# Allegro board SG2042_EVB_V2_0.brd (continued)
## Copper pours and planes (outline as drawn; the poured copper is in the pictures) (continued)
GND on TOP (solid shape): 47.99,214.05 47.49,213.54 39.69,213.54 39.43,213.79 39.43,215.53 47.99,215.53
GND on TOP (solid shape): 194.07,213.79 193.81,213.54 186.02,213.54 185.51,214.05 185.51,215.53 194.07,215.53
GND on TOP (solid shape): 109.42,265.2 110.3,265.2 110.3,264.89 107.95,264.89 107.95,265.2 108.97,265.2 108.97,266.8 109.42,266.8
GND on TOP (solid shape): 114.05,265.2 114.92,265.2 114.92,264.89 112.57,264.89 112.57,265.2 113.59,265.2 113.59,266.8 114.05,266.8
GND on TOP (solid shape): 126.26,265.2 127.14,265.2 127.14,264.89 124.79,264.89 124.79,265.2 125.81,265.2 125.81,266.8 126.26,266.8
GND on TOP (solid shape): 199.26,98.1 198.57,98.1 198.51,98.16 198.45,98.2 198.45,100 199.26,100
GND on TOP (solid shape): 202.06,97.99 201.56,97.99 201.56,97.66 201.22,97.66 201.22,98.96 201.09,98.96 201.09,99.11 201.22,99.11 201.22,99.24 202.06,99.24
GND on TOP (solid shape): 128.05,26.13 128.06,26.06 128.1,26.01 128.64,25.46 128.61,25.4 128.34,25.4 127.4,26.34 127.4,27.16 128.05,27.16
GND on TOP (solid shape): 216.17,127.62 214.97,126.41 214.93,126.36 214.91,126.29 214.91,126.04 213.97,126.04 213.97,126.21 215.44,127.69 216.15,127.69
GND on TOP (solid shape): 218.33,74.97 219.3,74.97 219.3,74.6 219.3,74.56 219.3,74.15 218.37,74.15 218.37,73.77 218.31,73.74 217.64,74.41 217.64,75.57 217.71,75.6
GND on TOP (solid shape): 197.46,131.04 197.52,131 197.59,130.99 197.83,130.99 197.83,130.07 197.66,130.07 195.21,132.53 195.24,132.59 195.91,132.59
GND on TOP (solid shape): 230.23,78.19 232.28,78.19 232.28,77.87 230.81,76.4 225.76,76.4 225.76,77.52 229.01,77.52 229.07,77.53 229.13,77.57 230.02,78.46 230.23,78.46
GND on TOP (solid shape): 42.67,286.25 42.67,281.64 42.56,281.56 42.54,281.57 42.44,281.58 42.35,281.57 42.32,281.56 42.22,281.64 42.22,283.36 42.01,283.36 42.01,285.68 42.61,286.27
GND on TOP (solid shape): 41.66,285.52 41.66,283.36 40.64,283.36 40.64,282.51 40.53,282.43 40.46,282.44 40.41,282.45 40.37,282.45 40.31,282.43 40.21,282.51 40.21,284.16 41.59,285.54
GND on TOP (solid shape): 119.66,170.41 120.6,170.41 120.6,170.28 120.47,170.28 120.47,169.47 119.2,169.47 119.2,170.28 119.08,170.28 119.08,170.41 119.46,170.41 119.52,170.42 119.6,170.44 119.66,170.44
GND on TOP (solid shape): 164.83,30.54 164.83,28.06 164.56,28.06 164.56,27.88 164.12,27.88 164.12,28.06 163.06,28.06 163.06,27.66 162.87,27.66 162.87,27.86 161.54,27.86 160.47,28.94 160.47,31.66 162.32,31.66 163.49,31.66 163.6,31.77
GND on TOP (solid shape): 203.91,99.11 204.04,99.11 204.04,98.96 203.91,98.96 203.91,98.83 203.12,98.83 203.03,98.81 202.94,98.76 202.63,98.45 202.57,98.47 202.57,100.08 203.57,100.08 203.57,100.41 203.91,100.41
GND on TOP (solid shape): 134.01,39.25 134.03,39.15 133.96,39.05 133.96,38.53 132.74,37.31 132.2,37.31 132.2,37.96 132.45,37.96 132.52,37.97 132.58,38.01 133.86,39.29
GND on TOP (solid shape): 199.57,245.09 199.57,243.76 200.42,243.76 200.5,243.66 200.5,243.63 200.48,243.54 200.5,243.44 200.5,243.41 200.42,243.31 199.57,243.31 199.57,242.38 199.5,242.35 199.42,242.44 199.42,245.15 199.48,245.18
GND on TOP (solid shape): 20.92,153.29 20.85,153.14 20.77,153.14 20.6,153.11 20.46,153.01 20.41,152.96 19.75,152.96 19.63,153.07 19.66,153.14 19.81,153.14 19.81,154.12 19.93,154.24 19.97,154.24
GND on TOP (solid shape): 24.77,176.53 24.76,176.45 24.82,176.28 24.96,176.15 24.98,176.14 25.01,176.01 24.68,175.69 24.13,175.69 24.13,176.97 24.33,176.97
GND on TOP (solid shape): 45.92,193.62 45.82,193.62 45.71,193.6 45.62,193.54 45.09,193.01 44.34,193.01 44.3,193.01 43.71,193.01 43.71,193.51 44.27,193.51 44.27,193.78 45.92,193.78
GND on TOP (solid shape): 117.78,149.94 118.41,149.94 118.41,140.49 118.36,140.34 118.21,140.28 116.69,140.28 116.69,140.92 116.05,140.92 116.05,150.6 116.24,150.6 116.24,150.95 117.78,150.95
GND on TOP (solid shape): 187.65,162.82 187.54,162.75 187.51,162.76 187.45,162.78 187.38,162.79 187.33,162.79 187.25,162.77 187.15,162.85 187.15,163.7 185.57,163.7 185.57,163.37 185.4,163.2 185.12,163.2 185.12,164.79 187.65,164.79
GND on TOP (solid shape): 188.21,75.29 188.36,75.23 188.42,75.08 188.42,73.56 187.78,73.56 187.78,72.92 178.1,72.92 178.1,73.11 177.76,73.11 177.76,74.65 178.77,74.65 178.77,75.29
GND on TOP (solid shape): 195.43,193.62 195.33,193.62 195.22,193.6 195.13,193.54 194.6,193.01 193.84,193.01 193.8,193.01 193.21,193.01 193.21,193.51 193.78,193.51 193.78,193.78 195.43,193.78
GND on TOP (solid shape): 212.52,208.48 213.16,208.48 213.16,198.81 212.97,198.81 212.97,198.46 211.43,198.46 211.43,199.47 210.79,199.47 210.79,208.91 210.85,209.06 211,209.12 212.52,209.12
GND on TOP (solid shape): 160.2,90.3 161.05,90.3 161.13,90.19 161.13,90.17 161.11,90.07 161.13,89.97 161.13,89.95 161.05,89.84 159.59,89.84 159.09,90.34 159.03,90.38 158.96,90.39 158.45,90.39 158.45,91.31 160.2,91.31
GND on TOP (solid shape): 41.55,224.44 41.95,224.44 41.97,224.38 41.55,223.95 41.5,223.87 41.48,223.77 41.48,223.65 41.35,223.65 41.35,222.88 41.48,222.88 41.48,222.76 41.35,222.76 41.35,222.25 41.29,222.19 41.22,222.22 41.22,223.65 40.28,223.65 40.28,223.8 41.17,224.69 41.55,224.69
GND on TOP (solid shape): 190.92,224.44 191.33,224.44 191.35,224.38 190.93,223.95 190.87,223.87 190.86,223.77 190.86,223.65 190.73,223.65 190.73,222.88 190.86,222.88 190.86,222.76 190.73,222.76 190.73,222.25 190.66,222.19 190.6,222.22 190.6,223.65 189.66,223.65 189.66,223.8 190.55,224.69 190.92,224.69
GND on TOP (solid shape): 41.53,183.08 42.36,183.08 42.36,175.44 40.36,175.44 40.22,175.5 40.16,175.64 40.16,183.51 40.22,183.66 40.36,183.72 41.53,183.72
GND on TOP (solid shape): 116.53,172.62 115.75,172.62 115.75,171.86 116.56,171.86 116.56,171.69 116.59,171.64 116.63,171.6 116.65,171.57 116.59,171.43 115.62,171.43 115.62,172.62 115.42,172.62 115.42,172.74 115.62,172.74 115.62,172.95 116.13,172.95 116.2,172.96 116.25,173 116.29,173.03 116.53,173.03
GND on TOP (solid shape): 189.81,183.08 190.64,183.08 190.64,175.44 188.65,175.44 188.5,175.5 188.44,175.64 188.44,183.51 188.5,183.66 188.65,183.72 189.81,183.72
GND on TOP (solid shape): 192.05,295.29 192.25,295.25 192.44,295.29 192.61,295.39 192.81,295.55 193.21,295.55 193.23,295.49 192.66,294.92 191.11,294.92 191.11,295.58 191.71,295.58
GND on TOP (solid shape): 204.34,277.97 204.34,275.65 204.22,275.58 204.2,275.59 204.13,275.61 204.06,275.62 204.01,275.61 203.94,275.59 203.84,275.67 203.84,277.95 203.94,278.02 204.01,278.01 204.06,278 204.13,278.01 204.2,278.03 204.22,278.04
GND on TOP (solid shape): 214.55,164.05 214.5,163.91 214.47,163.9 214.38,163.88 214.3,163.83 214.18,163.89 214.04,163.91 213.87,163.88 213.73,163.78 213.67,163.73 213.59,163.73 213.59,164.81 213.69,164.91
GND on TOP (solid shape): 22.91,223.21 23.55,223.21 23.55,222.4 23.49,222.26 23.34,222.2 19.71,222.2 19.57,222.26 19.51,222.4 19.51,222.73 20.14,222.73 20.14,223.37 22.91,223.37
GND on TOP (solid shape): 22.91,218.92 23.55,218.92 23.55,218.11 23.49,217.97 23.34,217.91 19.71,217.91 19.57,217.97 19.51,218.11 19.51,218.44 20.14,218.44 20.14,219.07 22.91,219.07
GND on TOP (solid shape): 22.91,205.31 23.55,205.31 23.55,204.5 23.49,204.35 23.34,204.29 19.71,204.29 19.57,204.35 19.51,204.5 19.51,204.83 20.14,204.83 20.14,205.46 22.91,205.46
GND on TOP (solid shape): 22.91,201.02 23.55,201.02 23.55,200.2 23.49,200.06 23.34,200 19.71,200 19.57,200.06 19.51,200.2 19.51,200.53 20.14,200.53 20.14,201.17 22.91,201.17
GND on TOP (solid shape): 25.93,187.2 26.57,187.2 26.57,186.39 26.51,186.24 26.37,186.18 22.73,186.18 22.59,186.24 22.53,186.39 22.53,186.71 23.17,186.71 23.17,187.35 25.93,187.35
GND on TOP (solid shape): 25.93,182.9 26.57,182.9 26.57,182.09 26.51,181.95 26.37,181.89 22.73,181.89 22.59,181.95 22.53,182.09 22.53,182.42 23.17,182.42 23.17,183.06 25.93,183.06
GND on TOP (solid shape): 25.93,178.61 26.57,178.61 26.57,177.8 26.51,177.66 26.37,177.6 22.73,177.6 22.59,177.66 22.53,177.8 22.53,178.13 23.17,178.13 23.17,178.77 25.93,178.77
GND on TOP (solid shape): 226.29,151.82 226.92,151.82 226.92,149.05 226.77,149.05 226.77,148.41 225.96,148.41 225.81,148.47 225.76,148.62 225.76,152.25 225.81,152.39 225.96,152.45 226.29,152.45
GND on TOP (solid shape): 214.38,114.05 214.35,113.91 214.33,113.9 214.17,113.78 214.11,113.59 214.11,113.54 214.13,113.49 214.14,113.46 214.06,113.35 213.97,113.35 213.97,113.59 213.96,113.66 213.92,113.71 204.77,122.86 204.8,122.92 205.51,122.92
GND on TOP (solid shape): 234.57,113.3 234.57,112.19 231.82,109.44 231.67,109.53 231.68,109.57 231.71,109.71 231.72,109.86 231.67,110.17 231.5,110.45 231.48,110.47 231.54,110.62 231.72,110.62 231.79,110.63 231.85,110.67 234.51,113.32
GND on TOP (solid shape): 39.7,193.78 40.99,193.78 40.99,190.83 42.19,190.83 42.19,185.12 40.36,185.12 40.22,185.17 40.16,185.32 40.16,189.03 40.24,189.03 40.24,193.04 38.97,193.04 38.86,193.14 38.78,193.2 38.68,193.22 38.53,193.22 38.53,194.03 39.7,194.03
GND on TOP (solid shape): 189.2,193.78 190.49,193.78 190.49,190.83 191.69,190.83 191.69,185.12 189.87,185.12 189.72,185.17 189.66,185.32 189.66,189.03 189.74,189.03 189.74,193.04 188.48,193.04 188.37,193.14 188.29,193.2 188.19,193.22 188.04,193.22 188.04,194.03 189.2,194.03
GND on TOP (solid shape): 200.05,97.48 200.14,97.45 200.23,97.43 200.28,97.44 200.35,97.46 200.45,97.38 200.97,97.38 200.99,97.36 201.05,97.32 201.12,97.31 201.56,97.31 201.56,96.98 201.78,96.98 201.78,96.07 198.45,96.07 198.45,96.47 199.9,96.47 199.9,97.43 200.03,97.5
GND on TOP (solid shape): 223.57,79.46 225.6,79.46 225.6,79.08 223.57,79.08 223.57,78.19 224.39,78.19 224.41,78.13 223.42,77.14 223.23,77.14 223.23,77.46 223.22,77.52 223.18,77.58 222.05,78.71 222.05,79.38 222.13,79.43 222.18,79.4 222.25,79.37 222.33,79.36 222.53,79.36 222.53,78.49 223.29,78.49 223.29,79.59 223.57,79.59
GND on TOP (solid shape): 42.62,224.23 42.64,224.2 43.05,223.8 43.05,222.49 42.9,222.44 42.87,222.46 42.76,222.55 42.62,222.58 42.58,222.58 42.52,222.57 42.42,222.65 42.42,222.76 41.99,222.76 41.99,222.88 42.93,222.88 42.93,223.65 42.11,223.65 42.11,223.8 42.5,224.19 42.54,224.23
GND on TOP (solid shape): 192,224.23 192.02,224.2 192.43,223.8 192.43,222.49 192.27,222.44 192.25,222.46 192.14,222.55 192,222.58 191.96,222.58 191.9,222.57 191.8,222.65 191.8,222.76 191.36,222.76 191.36,222.88 192.3,222.88 192.3,223.65 191.49,223.65 191.49,223.8 191.88,224.19 191.92,224.23
GND on TOP (solid shape): 217.08,278.08 217.13,278.07 217.21,278.06 217.45,277.81 217.45,275.89 217.52,275.71 217.7,275.64 218.82,275.64 218.9,275.53 218.89,275.51 218.87,275.45 218.87,275.39 218.87,275.33 218.89,275.27 218.9,275.25 218.82,275.14 217.3,275.14 216.95,275.49 216.95,278.01 217.06,278.09
GND on TOP (solid shape): 113.98,146.71 113.96,146.69 113.84,146.57 113.79,146.41 113.79,146.37 113.81,146.3 113.73,146.2 113.56,146.2 112.9,145.54 112.19,145.54 112.19,145.92 112.34,145.92 112.41,145.94 112.47,145.97 113.64,147.14 113.68,147.2 113.69,147.27 113.69,147.4 113.98,147.4
GND on TOP (solid shape): 124.23,265.2 124.43,265.2 124.43,264.89 124.23,264.89 124.23,260.59 126.81,260.59 126.81,260.51 126.57,260.27 125.25,260.27 125.25,259.76 119.62,254.14 119.43,254.14 119.43,258.06 120.88,259.51 122.2,259.51 122.2,260.02 122.49,260.31 122.53,260.37 122.54,260.44 122.54,260.59 123.21,260.59 123.21,264.89 123.15,264.89 123.15,265.2 123.22,265.2 123.22,265.96 123.09,265.96 123.09,266.09 123.8,266.8 124.23,266.8
GND on TOP (solid shape): 217.42,167.64 217.49,167.58 217.49,167 217.42,166.88 217.4,166.75 217.4,166.16 217.45,165.96 217.57,165.81 217.59,165.79 217.59,165.69 216.64,165.69 216.64,167.07 217.08,167.51 217.15,167.59 217.21,167.68 217.23,167.7 217.37,167.71
GND on TOP (solid shape): 218.9,279.03 218.89,279.01 218.87,278.95 218.87,278.89 218.87,278.83 218.89,278.77 218.9,278.75 218.82,278.64 217.7,278.64 217.63,278.63 217.57,278.6 217.55,278.59 217.45,278.6 217.44,278.62 217.33,278.69 217.2,278.72 217.11,278.71 217.02,278.67 216.95,278.71 216.95,278.79 217.3,279.14 218.82,279.14
GND on TOP (solid shape): 19.79,162.46 19.85,162.42 19.91,162.41 19.96,162.36 19.96,162.2 21.54,162.2 21.54,162.41 33.18,162.41 33.57,162.01 33.54,161.95 19.79,161.95 19.67,162.06 19.51,162.1 19.38,162.08 19.28,162.01 19.25,161.99 19.1,162.05 19.1,162.74 17.85,162.74 17.85,162.83 17.75,162.83 17.75,164.09 18.16,164.09
GND on TOP (solid shape): 181.53,70.85 182,70.85 182.12,70.71 182.3,70.66 182.33,70.66 182.4,70.68 182.5,70.6 182.5,70.43 183.16,69.77 183.16,69.06 182.78,69.06 182.78,69.22 182.77,69.28 182.73,69.34 181.56,70.51 181.5,70.55 181.43,70.56 181.3,70.56 181.3,70.85
GND on TOP (solid shape): 217.02,203.48 216.87,203.48 216.8,203.47 216.74,203.43 215.57,202.26 215.53,202.2 215.52,202.13 215.52,202.01 215.23,202.01 215.23,202.23 215.23,202.7 215.37,202.82 215.42,203 215.42,203.04 215.4,203.1 215.48,203.2 215.65,203.2 216.31,203.86 217.02,203.86
GND on TOP (solid shape): 234.44,168.85 234.58,168.75 234.75,168.72 236.04,168.72 236.12,168.6 236.11,168.58 236.04,168.26 236.11,167.95 236.12,167.93 236.04,167.81 234.73,167.81 234.57,167.78 234.44,167.7 233.51,167.7 233.45,167.76 233.42,167.79 233.42,168.76 233.45,168.79 233.51,168.85
GND on TOP (solid shape): 234.44,156.83 234.58,156.75 234.73,156.72 236.04,156.72 236.12,156.6 236.11,156.58 236.04,156.26 236.11,155.95 236.12,155.93 236.04,155.81 234.74,155.81 234.58,155.78 234.44,155.69 233.51,155.69 233.45,155.75 233.42,155.77 233.42,156.75 233.45,156.77 233.51,156.83
GND on TOP (solid shape): 234.44,162.83 234.58,162.75 234.73,162.72 236.04,162.72 236.12,162.6 236.11,162.58 236.04,162.26 236.11,161.95 236.12,161.93 236.04,161.81 234.75,161.81 234.58,161.78 234.44,161.68 233.51,161.68 233.45,161.74 233.42,161.77 233.42,162.74 233.45,162.77 233.51,162.83
GND on TOP (solid shape): 53.24,291.18 53.21,291.16 52.81,290.65 52.66,290.03 52.84,289.33 53.34,288.81 53.37,288.79 53.32,288.62 52.47,288.62 50.62,290.47 51.48,291.34 53.19,291.34
GND on TOP (solid shape): 71.07,288.68 71.05,288.62 64.25,288.62 64.2,288.79 64.24,288.81 64.73,289.33 64.92,290.03 64.77,290.65 64.36,291.16 64.33,291.18 64.39,291.34 68.42,291.34
GND on TOP (solid shape): 192.07,297.25 192.07,297.19 192.09,297.12 192.13,297.07 193.22,295.97 193.19,295.91 192.82,295.91 192.62,296.11 192.45,296.22 192.25,296.27 192.05,296.22 191.88,296.11 191.71,295.94 191.11,295.94 191.11,296.44 191.14,296.45 191.18,296.47 191.21,296.5 192,297.28 192.04,297.28
GND on TOP (solid shape): 127.29,267.34 127.25,267.31 123.7,267.31 123.6,267.29 123.52,267.24 122.65,266.37 122.6,266.29 122.58,266.19 122.58,265.96 121.64,265.96 121.64,265.76 121.18,265.76 121.18,265.96 119.61,265.96 119.61,265.2 120.62,265.2 120.62,264.89 119.61,264.89 119.61,260.59 122.18,260.59 122.18,260.51 121.95,260.27 120.62,260.27 120.62,259.76 119.12,258.26 118.93,258.26 118.93,266.1 120.27,267.44 127.27,267.44
GND on TOP (solid shape): 219.95,277.79 219.95,276.49 219.6,276.14 218.3,276.14 217.95,276.49 217.95,277.79 218.21,278.05 218.37,277.9 218.37,277.88 218.47,277.65 218.7,277.56 218.93,277.66 219.03,277.89 219.02,277.95 219.01,278.01 219,278.03 219.08,278.14 219.6,278.14
GND on TOP (solid shape): 50.88,281.32 50.87,281.29 50.8,281.14 50.78,280.98 50.81,280.79 50.89,280.62 50.91,280.6 50.86,280.47 50.83,280.46 50.44,280.32 50.11,280.08 50.08,280.06 49.94,280.12 49.94,280.92 50.22,281.2 50.49,281.38 50.8,281.44
GND on TOP (solid shape): 207.44,270.94 207.5,270.9 207.57,270.89 209.71,270.89 209.77,270.73 209.74,270.71 209.66,270.6 209.63,270.46 209.65,270.33 209.72,270.23 210.09,269.86 210.06,269.8 207.7,269.8 203.36,274.14 203.38,274.27 203.41,274.28 203.53,274.4 203.58,274.56 203.58,274.6 203.73,274.65
GND on TOP (solid shape): 224.59,158.8 224.74,158.67 224.93,158.62 225.52,158.62 225.66,158.65 225.78,158.71 228.08,158.71 228.15,158.58 228.14,158.56 228.1,158.48 228.09,158.39 228.09,157.84 228.12,157.71 228.19,157.6 228.22,157.57 228.16,157.42 225.32,157.42 225.32,157.07 224.01,157.07 224.01,157.83 224.47,157.83 224.47,158.82 224.57,158.82
GND on TOP (solid shape): 162.76,91.98 162.76,91.87 161.95,91.87 161.95,91.67 161.82,91.67 161.82,91.87 160.2,91.87 160.2,91.67 158.45,91.67 158.45,93.4 157.28,93.4 157.28,94.84 157.07,94.84 157.07,94.97 157.28,94.97 157.28,95.78 157.38,95.86 157.46,95.84 157.51,95.83 157.74,95.93 157.84,96.16 157.82,96.28 157.76,96.38 157.74,96.4 157.8,96.54 158.19,96.54
GND on TOP (solid shape): 185.62,18.72 185.62,18.57 184.61,18.57 184.61,18.44 183.72,18.44 183.72,18.58 183.65,18.67 183.66,18.75 183.67,18.8 183.34,19.13 183.01,18.8 183.01,18.75 183.03,18.67 182.95,18.57 182.4,18.57 179.94,21.02 179.97,21.08 183.26,21.08
GND on TOP (solid shape): 207.42,18.72 207.42,18.57 206.4,18.57 206.4,18.44 205.51,18.44 205.51,18.58 205.44,18.67 205.46,18.75 205.46,18.8 205.13,19.13 204.8,18.8 204.8,18.75 204.82,18.67 204.74,18.57 204.19,18.57 201.13,21.63 201.15,21.69 204.45,21.69
GND on TOP (solid shape): 40.08,244.49 40.07,244.47 40.06,244.37 40.07,244.28 40.08,244.25 40,244.15 40,242.57 40.14,242.57 40.17,242.54 40.15,242.29 39.96,242.29 39.96,242.33 39.63,242.62 39.3,242.33 39.3,242.29 39.02,242.29 38.96,242.53 38.99,242.57 39.04,242.57 39.04,243.89 39.75,244.6 40,244.6
GND on TOP (solid shape): 138.25,39.94 138.25,38.81 135.69,36.25 135.53,36.25 135.53,36.54 135.64,36.62 135.71,36.6 135.76,36.6 136.09,36.93 135.76,37.26 135.71,37.26 135.64,37.24 135.53,37.32 135.53,37.62 135.76,37.62 135.83,37.63 135.89,37.67 138.19,39.97
GND on TOP (solid shape): 205.98,291.68 205.98,290.43 205.72,290.17 205.7,290.15 205.67,290.09 205.46,290.09 205.46,289.71 205.33,289.71 205.33,290.09 205.13,290.09 205.12,290.13 205.1,290.16 205.08,290.19 204.84,290.43 204.84,290.62 204.83,290.69 204.79,290.75 204.48,291.06 204.42,291.1 204.35,291.11 203.71,291.11 202.57,292.26 202.6,292.29 202.63,292.32 202.64,292.35 202.66,292.38 202.71,292.38 202.71,293.51 203.83,293.51 203.83,293.56 203.86,293.57 203.89,293.59 203.92,293.61 203.96,293.65 204.01,293.65
GND on TOP (solid shape): 137.85,42.13 137.85,40.99 135.83,38.98 135.76,38.99 135.71,38.99 135.64,38.97 135.54,39.04 134.73,39.04 134.65,39.15 134.67,39.22 134.67,39.27 134.57,39.5 134.34,39.6 134.25,39.59 134.17,39.55 134.14,39.53 134.01,39.61 134.01,39.8 134.21,40 135.53,40 135.53,40.21 135.76,40.21 135.83,40.22 135.89,40.26 137.78,42.15
GND on TOP (solid shape): 167.91,287.06 166.88,286.03 166.88,285.16 166.53,285.16 166.53,284.38 160.5,284.38 160.24,284.33 160.01,284.18 159.84,284.01 159.69,283.78 159.64,283.52 159.64,282.84 158.92,282.13 158.23,282.13 157.97,282.08 157.74,281.93 130.26,254.44 130.11,254.22 130.06,253.95 130.06,250.57 129.43,250.57 129.43,254.54 162.01,287.12 167.88,287.12
GND on TOP (solid shape): 194.45,247.79 194.42,247.77 194,247.01 194.42,246.26 194.45,246.24 194.4,246.08 190.62,246.08 190.18,246.52 190.2,246.56 190.29,246.78 190.32,247.01 190.21,247.44 189.91,247.77 189.88,247.79 189.92,247.95 194.4,247.95
GND on TOP (solid shape): 176.16,237.04 176.15,237.02 176.11,236.9 176.1,236.77 176.23,236.4 176.56,236.18 176.6,236.14 176.57,236.09 176.53,236.07 176.5,236.05 175.08,236.05 175.08,236.3 174.52,236.3 174.48,236.47 174.51,236.49 174.79,236.65 175.03,236.86 175.06,236.88 175.36,237.09 175.72,237.16 176.09,237.16
GND on TOP (solid shape): 195.43,182.15 195.32,182.07 195.25,182.09 195.2,182.09 194.87,181.76 195.2,181.43 195.25,181.44 195.32,181.45 195.43,181.37 195.43,181.05 195.25,181.05 195.18,181.04 195.12,181 194.9,180.77 194.86,180.71 194.84,180.64 194.84,179.25 193.71,178.11 193.57,178.11 193.57,178.71 193.17,178.71 193.17,182.32 195.43,182.32
GND on TOP (solid shape): 47.14,182.05 47.08,182.05 47.07,182.06 46.99,182.08 46.91,182.09 46.58,181.76 46.91,181.43 46.96,181.44 47.03,181.45 47.14,181.37 47.14,181.05 46.96,181.05 46.9,181.04 46.84,181 46.61,180.77 46.57,180.71 46.56,180.64 46.56,179.25 45.42,178.11 45.29,178.11 45.29,178.71 44.88,178.71 44.88,182.32 47.14,182.32
GND on TOP (solid shape): 202.11,278.97 202.11,278.89 202.2,278.66 202.44,278.56 202.66,278.64 202.77,278.85 202.77,278.89 202.92,278.89 202.92,278.85 203.03,278.64 203.25,278.56 203.3,278.56 203.37,278.58 203.48,278.5 203.48,277.6 203.37,277.52 203.3,277.54 203.25,277.55 203.08,277.5 202.96,277.38 202.95,277.36 202.82,277.34 200.94,279.22 200.94,280.05 201,280.08
GND on TOP (solid shape): 50.95,291.88 50.38,291.32 50.24,291.36 50.23,291.39 50.12,291.57 49.91,291.64 49.68,291.55 49.58,291.31 49.58,291.27 49.6,291.21 49.52,291.11 46.1,291.11 46.07,291.17 46.64,291.75 46.79,291.7 46.79,291.67 46.91,291.49 47.12,291.41 47.35,291.51 47.45,291.74 47.45,291.78 47.43,291.85 47.51,291.95 50.93,291.95
GND on TOP (solid shape): 63.98,185.73 64.12,185.38 64.43,185.18 64.46,185.18 64.58,184.84 64.6,184.79 64.53,184.68 64.51,184.68 64.21,184.55 64.02,184.29 64.01,184.27 63.87,184.23 63.85,184.25 63.46,184.52 63.01,184.7 62.97,184.76 62.99,184.84 63,184.93 62.98,185.08 62.91,185.23 62.9,185.25 62.95,185.38 62.98,185.38 63.35,185.53 63.68,185.76 63.69,185.78 63.97,185.78
GND on TOP (solid shape): 62.64,291.18 62.61,291.16 62.2,290.65 62.06,290.03 62.24,289.33 62.74,288.81 62.77,288.79 62.72,288.62 54.85,288.62 54.81,288.79 54.84,288.81 55.34,289.33 55.52,290.03 55.37,290.65 54.96,291.16 54.93,291.18 54.99,291.34 62.59,291.34
GND on TOP (solid shape): 63.98,194.35 63.98,194.28 64.15,193.84 64.59,193.67 64.84,193.72 65.04,193.87 65.06,193.89 65.33,193.86 65.44,193.84 65.58,193.83 65.65,193.71 65.64,193.69 65.59,193.56 65.58,193.43 65.58,193.35 65.5,193.27 64.59,193.27 64.26,193.18 64.01,192.95 63.99,192.93 63.87,192.92 63.02,193.77 63.05,193.91 63.08,193.92 63.43,194.08 63.74,194.32 63.83,194.41
GND on TOP (solid shape): 20.09,283.54 20.09,281.03 19.96,281.03 19.96,280.9 19.84,280.9 19.84,281.84 17.94,281.84 17.86,281.95 17.87,281.97 17.88,282.07 17.87,282.16 17.86,282.19 17.93,282.29 17.93,283.06 16.28,283.06 16.28,283.41 17.94,283.41 18.04,283.49 18.11,283.47 18.16,283.46 18.49,283.79 18.16,284.12 18.11,284.12 18.04,284.1 17.94,284.18 16.28,284.18 16.28,284.53 17.94,284.53 18.04,284.6 18.11,284.58 18.16,284.58 18.35,284.64 18.47,284.8 18.48,284.84 18.79,284.84
GND on TOP (solid shape): 189.26,112.7 189.4,112.61 189.56,112.57 189.7,112.6 189.82,112.66 189.84,112.67 189.89,112.67 189.91,112.66 190.03,112.6 190.17,112.57 190.33,112.61 190.47,112.7 190.55,112.78 190.65,112.78 190.65,112.67 190.65,112.66 190.61,112.57 190.6,112.47 190.61,112.37 190.65,112.28 190.65,112.27 190.65,111.86 190.65,111.85 190.61,111.76 190.6,111.66 190.61,111.6 190.62,111.54 190.63,111.51 190.55,111.4 189.18,111.4 189.1,111.51 189.11,111.54 189.12,111.6 189.13,111.66 189.12,111.76 189.08,111.85 189.08,111.86 189.08,112.27 189.08,112.28 189.12,112.37 189.13,112.47 189.12,112.57 189.08,112.66 189.08,112.67 189.08,112.78 189.18,112.78
GND on TOP (solid shape): 90.65,298.75 90.68,298.75 90.74,298.74 90.79,298.72 90.84,298.7 90.89,298.67 90.94,298.63 90.97,298.58 91.01,298.53 91.03,298.48 91.05,298.43 91.05,298.37 91.06,298.34 91.06,297.02 94.46,297.02 94.46,297.01 95.63,297.01 95.66,297.01 95.72,297.01 95.77,296.99 95.83,296.97 95.87,296.93 95.92,296.9 95.96,296.85 95.99,296.8 96.01,296.75 96.03,296.69 96.04,296.64 96.04,296.61 96.04,295.21 96.04,295.18 96.03,295.12 96.01,295.07 95.99,295.01 95.96,294.96 95.92,294.92 95.87,294.88 95.83,294.85 95.77,294.83 95.72,294.81 95.66,294.8 95.63,294.8 87.05,294.8 87.02,294.8 86.96,294.81 86.9,294.83 86.85,294.85 86.8,294.88 86.76,294.92 86.72,294.96 86.69,295.01 86.66,295.07 86.65,295.12 86.64,295.18 86.64,295.21 86.64,296.26 89.94,296.26 89.94,296.9 88.13,296.9 88.13,296.26 86.64,296.26 86.64,297.15 87.1,297.15 87.1,296.47 87.86,296.47 87.86,297.15 89.19,297.15 89.19,298.34 89.19,298.37 89.2,298.43 89.21,298.48 89.24,298.53 89.27,298.58 89.31,298.63 89.35,298.67 89.4,298.7 89.45,298.72 89.51,298.74 89.57,298.75 89.59,298.75
GND on TOP (solid shape): 100.89,298.75 100.91,298.75 100.97,298.74 101.03,298.72 101.08,298.7 101.13,298.67 101.17,298.63 101.21,298.58 101.24,298.53 101.27,298.48 101.28,298.43 101.29,298.37 101.29,298.34 101.29,297.02 104.7,297.02 104.7,297.01 105.87,297.01 105.9,297.01 105.95,297.01 106.01,296.99 106.06,296.97 106.11,296.93 106.15,296.9 106.19,296.85 106.22,296.8 106.25,296.75 106.26,296.69 106.27,296.64 106.27,296.61 106.27,295.21 106.27,295.18 106.26,295.12 106.25,295.07 106.22,295.01 106.19,294.96 106.15,294.92 106.11,294.88 106.06,294.85 106.01,294.83 105.95,294.81 105.9,294.8 105.87,294.8 97.28,294.8 97.25,294.8 97.2,294.81 97.14,294.83 97.09,294.85 97.04,294.88 96.99,294.92 96.96,294.96 96.92,295.01 96.9,295.07 96.88,295.12 96.88,295.18 96.88,295.21 96.88,296.26 100.17,296.26 100.17,296.9 98.37,296.9 98.37,296.26 96.88,296.26 96.88,297.15 97.33,297.15 97.33,296.47 98.1,296.47 98.1,297.15 99.42,297.15 99.42,298.34 99.42,298.37 99.43,298.43 99.45,298.48 99.47,298.53 99.5,298.58 99.54,298.63 99.59,298.67 99.64,298.7 99.69,298.72 99.74,298.74 99.8,298.75 99.83,298.75
GND on TOP (solid shape): 108.1,146.27 108.13,146.27 108.19,146.26 108.24,146.24 108.3,146.22 108.35,146.19 108.39,146.15 108.43,146.11 108.46,146.06 108.48,146.01 108.5,145.95 108.51,145.89 108.51,145.86 108.51,143.92 108.05,143.92 108.05,144.6 107.29,144.6 107.29,143.92 105.96,143.92 105.96,142.73 105.96,142.7 105.95,142.64 105.94,142.59 105.91,142.54 105.88,142.49 105.84,142.44 105.8,142.41 105.75,142.37 105.7,142.35 105.64,142.33 105.58,142.33 105.55,142.32 104.5,142.32 104.47,142.33 104.41,142.33 104.36,142.35 104.3,142.37 104.26,142.41 104.21,142.44 104.17,142.49 104.14,142.54 104.12,142.59 104.1,142.64 104.09,142.7 104.09,142.73 104.09,144.05 100.69,144.05 100.69,144.06 99.52,144.06 99.49,144.06 99.43,144.07 99.37,144.08 99.32,144.11 99.27,144.14 99.23,144.17 107.01,144.17 107.01,144.81 105.21,144.81 105.21,144.17 99.23,144.17 99.19,144.22 99.16,144.27 99.14,144.32 99.12,144.38 99.11,144.43 99.11,144.46 99.11,145.86 99.11,145.89 99.12,145.95 99.14,146.01 99.16,146.06 99.19,146.11 99.23,146.15 99.27,146.19 99.32,146.22 99.37,146.24 99.43,146.26 99.49,146.27 99.52,146.27
GND on TOP (solid shape): 111.12,298.75 111.15,298.75 111.21,298.74 111.26,298.72 111.32,298.7 111.37,298.67 111.41,298.63 111.45,298.58 111.48,298.53 111.5,298.48 111.52,298.43 111.53,298.37 111.53,298.34 111.53,297.02 114.93,297.02 114.93,297.01 116.1,297.01 116.13,297.01 116.19,297.01 116.25,296.99 116.3,296.97 116.35,296.93 116.39,296.9 116.43,296.85 116.46,296.8 116.48,296.75 116.5,296.69 116.51,296.64 116.51,296.61 116.51,295.21 116.51,295.18 116.5,295.12 116.48,295.07 116.46,295.01 116.43,294.96 116.39,294.92 116.35,294.88 116.3,294.85 116.25,294.83 116.19,294.81 116.13,294.8 116.1,294.8 107.52,294.8 107.49,294.8 107.43,294.81 107.38,294.83 107.32,294.85 107.27,294.88 107.23,294.92 107.19,294.96 107.16,295.01 107.14,295.07 107.12,295.12 107.11,295.18 107.11,295.21 107.11,296.26 110.41,296.26 110.41,296.9 108.61,296.9 108.61,296.26 107.11,296.26 107.11,297.15 107.57,297.15 107.57,296.47 108.33,296.47 108.33,297.15 109.66,297.15 109.66,298.34 109.66,298.37 109.67,298.43 109.69,298.48 109.71,298.53 109.74,298.58 109.78,298.63 109.82,298.67 109.87,298.7 109.92,298.72 109.98,298.74 110.04,298.75 110.07,298.75
GND on TOP (solid shape): 121.36,298.75 121.39,298.75 121.44,298.74 121.5,298.72 121.55,298.7 121.6,298.67 121.65,298.63 121.68,298.58 121.71,298.53 121.74,298.48 121.76,298.43 121.76,298.37 121.76,298.34 121.76,297.02 125.17,297.02 125.17,297.01 126.34,297.01 126.37,297.01 126.43,297.01 126.48,296.99 126.53,296.97 126.58,296.93 126.63,296.9 126.67,296.85 126.7,296.8 126.72,296.75 126.74,296.69 126.75,296.64 126.75,296.61 126.75,295.21 126.75,295.18 126.74,295.12 126.72,295.07 126.7,295.01 126.67,294.96 126.63,294.92 126.58,294.88 126.53,294.85 126.48,294.83 126.43,294.81 126.37,294.8 126.34,294.8 117.75,294.8 117.73,294.8 117.67,294.81 117.61,294.83 117.56,294.85 117.51,294.88 117.47,294.92 117.43,294.96 117.4,295.01 117.37,295.07 117.36,295.12 117.35,295.18 117.35,295.21 117.35,296.26 120.65,296.26 120.65,296.9 118.84,296.9 118.84,296.26 117.35,296.26 117.35,297.15 117.8,297.15 117.8,296.47 118.57,296.47 118.57,297.15 119.9,297.15 119.9,298.34 119.9,298.37 119.91,298.43 119.92,298.48 119.95,298.53 119.98,298.58 120.02,298.63 120.06,298.67 120.11,298.7 120.16,298.72 120.22,298.74 120.27,298.75 120.3,298.75
GND on TOP (solid shape): 131.59,298.75 131.62,298.75 131.68,298.74 131.74,298.72 131.79,298.7 131.84,298.67 131.88,298.63 131.92,298.58 131.95,298.53 131.98,298.48 131.99,298.43 132,298.37 132,298.34 132,297.02 135.41,297.02 135.41,297.01 136.58,297.01 136.6,297.01 136.66,297.01 136.72,296.99 136.77,296.97 136.82,296.93 136.86,296.9 136.9,296.85 136.93,296.8 136.96,296.75 136.97,296.69 136.98,296.64 136.98,296.61 136.98,295.21 136.98,295.18 136.97,295.12 136.96,295.07 136.93,295.01 136.9,294.96 136.86,294.92 136.82,294.88 136.77,294.85 136.72,294.83 136.66,294.81 136.6,294.8 136.58,294.8 127.99,294.8 127.96,294.8 127.9,294.81 127.85,294.83 127.8,294.85 127.75,294.88 127.7,294.92 127.66,294.96 127.63,295.01 127.61,295.07 127.59,295.12 127.58,295.18 127.58,295.21 127.58,296.26 130.88,296.26 130.88,296.9 129.08,296.9 129.08,296.26 127.58,296.26 127.58,297.15 128.04,297.15 128.04,296.47 128.8,296.47 128.8,297.15 130.13,297.15 130.13,298.34 130.13,298.37 130.14,298.43 130.16,298.48 130.18,298.53 130.21,298.58 130.25,298.63 130.3,298.67 130.34,298.7 130.4,298.72 130.45,298.74 130.51,298.75 130.54,298.75
GND on TOP (solid shape): 141.83,298.75 141.86,298.75 141.92,298.74 141.97,298.72 142.03,298.7 142.07,298.67 142.12,298.63 142.16,298.58 142.19,298.53 142.21,298.48 142.23,298.43 142.24,298.37 142.24,298.34 142.24,297.02 145.64,297.02 145.64,297.01 146.81,297.01 146.84,297.01 146.9,297.01 146.95,296.99 147.01,296.97 147.06,296.93 147.1,296.9 147.14,296.85 147.17,296.8 147.19,296.75 147.21,296.69 147.22,296.64 147.22,296.61 147.22,295.21 147.22,295.18 147.21,295.12 147.19,295.07 147.17,295.01 147.14,294.96 147.1,294.92 147.06,294.88 147.01,294.85 146.95,294.83 146.9,294.81 146.84,294.8 146.81,294.8 138.23,294.8 138.2,294.8 138.14,294.81 138.08,294.83 138.03,294.85 137.98,294.88 137.94,294.92 137.9,294.96 137.87,295.01 137.85,295.07 137.83,295.12 137.82,295.18 137.82,295.21 137.82,296.26 141.12,296.26 141.12,296.9 139.31,296.9 139.31,296.26 137.82,296.26 137.82,297.15 138.28,297.15 138.28,296.47 139.04,296.47 139.04,297.15 140.37,297.15 140.37,298.34 140.37,298.37 140.38,298.43 140.39,298.48 140.42,298.53 140.45,298.58 140.49,298.63 140.53,298.67 140.58,298.7 140.63,298.72 140.69,298.74 140.75,298.75 140.78,298.75
GND on TOP (solid shape): 219.13,103.46 219.46,103.17 219.78,103.46 219.79,103.5 219.99,103.5 219.99,103.46 220.32,103.17 220.65,103.46 220.65,103.5 221,103.5 221.01,103.47 221.03,103.42 221.06,103.38 221.72,102.71 221.72,102.64 221.73,102.55 221.77,102.47 221.78,102.44 221.71,102.31 218.93,102.31 218.86,102.44 218.87,102.47 218.91,102.55 218.92,102.64 218.84,102.86 218.64,102.97 218.59,102.98 218.59,103.17 218.64,103.18 218.83,103.27 218.92,103.46 218.93,103.5 219.12,103.5
GND on TOP (solid shape): 221.18,81.15 221.19,81.13 221.3,80.93 221.51,80.85 221.56,80.85 221.63,80.87 221.73,80.8 222.65,80.8 222.67,80.73 222.51,80.57 222.33,80.57 222.26,80.56 222.2,80.52 221.74,80.06 221.7,80 221.69,79.93 221.69,78.64 221.7,78.57 221.74,78.51 222.87,77.38 222.87,75.07 222.43,75.07 222.36,75.18 222.36,75.21 222.38,75.26 222.38,75.31 222.28,75.54 222.05,75.64 221.8,75.64 221.8,76.25 222.07,76.25 222.07,77.88 221.06,77.88 221.06,78 221.26,78 221.26,79.59 221.19,79.69 221.21,79.76 221.21,79.81 221.11,80.04 220.88,80.14 220.81,80.13 220.74,80.11 220.71,80.09 220.59,80.17 220.59,80.83 220.42,80.83 220.42,81.27 220.59,81.27 220.59,81.55 220.78,81.55
GND on TOP (solid shape): 103.22,112.85 103.24,112.84 103.26,112.82 103.88,111.92 104.13,111.7 104.45,111.62 104.54,111.62 104.58,111.6 104.66,111.54 104.76,111.5 104.8,111.49 104.8,111.32 104.76,111.31 104.66,111.28 104.58,111.21 104.53,111.19 104.07,111.19 103.99,111.26 103.8,111.39 103.57,111.44 103.15,111.44 103.1,111.44 103.05,111.46 103.05,111.96 102.04,111.96 101.94,112 101.85,112 101.37,112 101.21,111.97 101.07,111.88 100.88,111.69 100.74,111.69 100.64,111.8 100.64,112.23 101,112.59 101.36,112.59 101.47,112.48 101.47,112.32 101.67,112.32 101.77,112.29 101.85,112.28 101.94,112.29 102.04,112.32 103.05,112.32 103.05,112.82 103.1,112.84 103.15,112.85
GND on TOP (solid shape): 17.05,177.88 17.02,177.85 16.87,177.63 16.82,177.38 16.89,177.09 17.07,176.85 17.07,176.59 17.08,176.48 17.11,176.38 17.08,176.27 17.07,176.16 17.07,175.9 16.89,175.66 16.82,175.38 16.83,175.28 16.75,175.19 16.32,175.19 16.31,175.19 16,175.24 15.7,175.14 15.67,175.12 15.54,175.21 15.54,175.24 15.55,175.31 15.56,175.38 15.49,175.66 15.31,175.9 15.31,176.16 15.3,176.27 15.27,176.38 15.3,176.48 15.31,176.59 15.31,176.85 15.49,177.09 15.56,177.38 15.51,177.63 15.36,177.85 15.33,177.88 15.4,178.03 16.98,178.03
GND on TOP (solid shape): outline of 106 points within 182.06,291.03 189.66,292.99
GND on TOP (solid shape): 19.7,174.25 20.12,173.62 20.27,172.88 20.27,172.47 20.44,171.6 20.93,170.87 20.95,170.85 21.68,170.37 22.54,170.19 23.49,170.19 23.55,170.14 23.57,170.11 23.57,169.13 23.55,169.11 23.49,169.05 22.76,169.05 22.11,169.18 21.56,169.54 20.25,170.86 19.91,171.37 19.79,171.97 19.79,172.12 19.59,173.09 19.04,173.91 19.03,173.93 18.49,174.34 17.85,174.59 17.82,174.6 17.8,174.77 17.83,174.78 18.07,175.01 18.18,175.33 18.18,175.38 18.58,175.38
GND on TOP (solid shape): 42.67,277.41 42.67,276.51 42.56,276.43 42.49,276.45 42.44,276.45 42.21,276.36 42.11,276.12 42.19,275.91 42.4,275.8 42.44,275.79 42.44,275.64 42.4,275.64 42.19,275.53 42.11,275.31 42.19,275.09 42.4,274.98 42.43,274.98 42.48,274.83 41.23,273.58 40.75,273.58 40.74,273.63 40.63,273.83 40.41,273.91 40.34,273.91 40.21,274.04 40.21,274.91 40.31,274.99 40.37,274.98 40.41,274.98 40.65,275.08 40.74,275.31 40.66,275.53 40.46,275.64 40.41,275.64 40.41,275.79 40.46,275.8 40.74,276.12 40.46,276.45 40.41,276.46 40.41,276.6 40.53,276.63 40.63,276.55 42.22,276.55 42.22,277.41 42.32,277.49 42.35,277.48 42.44,277.47 42.54,277.48 42.56,277.49
GND on TOP (solid shape): 226.06,108.13 226.12,108.09 226.19,108.08 227.59,108.08 227.65,107.93 227.63,107.91 227.46,107.63 227.41,107.31 227.67,106.69 228.3,106.43 228.3,106.32 227.78,106.32 227.71,106.31 227.65,106.27 223.69,102.31 222.38,102.31 222.31,102.44 222.33,102.47 222.36,102.55 222.38,102.64 222.3,102.86 222.09,102.97 222.05,102.98 222.05,103.17 222.09,103.18 222.28,103.27 222.37,103.46 222.38,103.5 222.58,103.5 222.58,103.46 222.91,103.17 223.24,103.46 223.24,103.5 223.44,103.5 223.45,103.46 223.56,103.26 223.77,103.17 224.01,103.27 224.1,103.5 224.1,103.55 224.08,103.63 224.16,103.72 224.16,105.31 223.85,105.31 223.85,105.65 223.98,105.65 223.98,107.54 224.36,107.54 224.36,106.6 225.12,106.6 225.12,108.19 225.05,108.29 225.07,108.36 225.07,108.41 225.07,108.45 225.05,108.51 225.13,108.61 225.58,108.61
GND on TOP (solid shape): 127.02,55.72 123.19,51.89 123.15,51.83 123.14,51.77 123.14,47.45 122.84,47.45 122.76,47.55 122.78,47.63 122.78,47.68 122.45,48.01 122.12,47.68 122.13,47.63 122.14,47.55 122.07,47.45 121.98,47.45 121.9,47.55 121.92,47.63 121.92,47.68 121.59,48.01 121.26,47.68 121.26,47.63 121.28,47.55 121.21,47.46 121.21,46.64 121.1,46.56 121.03,46.58 120.98,46.58 120.65,46.25 120.98,45.92 121.03,45.93 121.1,45.94 121.2,45.87 121.72,45.87 122.04,45.55 122.04,44.11 121.11,44.11 121.03,44.22 121.04,44.25 121.05,44.3 121.05,44.35 120.72,44.68 120.39,44.35 120.4,44.3 120.41,44.25 120.42,44.22 120.34,44.11 119.4,44.11 119.4,46.03 119.4,46.07 119.38,46.11 119.38,47.45 119.18,47.45 119.18,51.69 123.26,55.78 126.99,55.78
GND on TOP (solid shape): outline of 171 points within 166.68,288.49 182.77,291.33
GND on TOP (solid shape): outline of 229 points within 106.91,33.63 115.25,48.63
GND on TOP (solid shape): outline of 296 points within 186.33,122.96 214.63,132.89
GND on TOP (solid shape): outline of 392 points within 173.32,279.38 185.38,283.59
GND on TOP (solid shape): outline of 516 points within 199.07,104.11 227.7,121.5
GND on TOP (solid shape): outline of 100329 points within 0.31,0.31 243.53,304.49
GND on BOTTOM (solid shape): 3.78,246.66 2.87,246.66 2.87,248.67 3.78,248.67
GND on BOTTOM (solid shape): 27.13,249.09 26.42,249.09 26.42,246.66 25.07,246.66 25.07,250.74 27.13,250.74
GND on BOTTOM (solid shape): 33.3,259.19 33.3,159.21 33.24,159.19 32.87,159.56 32.87,258.84 33.24,259.21
GND on BOTTOM (solid shape): 190.87,284.04 190.84,283.97 189.22,283.97 185.76,287.44 185.78,287.5 187.4,287.5
GND on BOTTOM (solid shape): 234.67,115.33 234.67,113.42 234.61,113.4 231.72,116.28 231.72,118.18 231.79,118.21
GND on BOTTOM (solid shape): 38.28,268.35 38.28,267.84 38.09,267.84 37.39,268.55 37.39,268.72 37.41,268.77 37.41,268.81 37.41,269.13 37.48,269.15
GND on BOTTOM (solid shape): 208.73,269.66 208.7,269.6 207.9,269.6 203.36,274.14 203.38,274.27 203.4,274.28 203.53,274.4 203.58,274.56 203.58,274.6 203.73,274.65
GND on BOTTOM (solid shape): 227.78,118.2 227.75,118.18 227.5,117.87 227.41,117.47 227.41,116.48 220.24,116.48 218.42,118.3 218.45,118.36 227.73,118.36
GND on BOTTOM (solid shape): 49.02,202.76 49.02,190.21 48.87,190.15 48.85,190.18 48.74,190.25 48.62,190.27 48.5,190.25 48.4,190.19 48.38,190.17 48.24,190.24 48.24,202.06 48.96,202.78
GND on BOTTOM (solid shape): 46.8,291.85 46.79,291.78 46.79,291.74 46.87,291.53 47.07,291.42 47.1,291.41 47.15,291.27 46.97,291.08 45.64,291.08 45.61,291.15 46.41,291.95 46.72,291.95
GND on BOTTOM (solid shape): 141.17,25.86 141.16,25.74 141.14,25.72 140.88,25.41 140.79,25.02 140.79,24.97 140.8,24.88 140.65,24.81 140.06,25.41 140.06,26.88 140.12,26.91
GND on BOTTOM (solid shape): 51.35,140.06 51.42,140.04 51.49,140.03 51.54,140.03 51.6,140.05 51.63,140.06 51.74,139.98 51.74,135.18 51.63,135.1 51.6,135.11 51.54,135.12 51.49,135.13 51.41,135.12 51.21,135.33 51.21,139.99 51.32,140.07
GND on BOTTOM (solid shape): 182.68,288.68 182.65,288.62 180.18,288.62 180.13,288.79 180.16,288.81 180.66,289.33 180.84,290.03 180.83,290.15 180.82,290.28 180.81,290.32 180.96,290.4
GND on BOTTOM (solid shape): 53.72,143.4 53.72,138.17 53.61,138.06 53.57,137.9 53.67,137.66 53.9,137.57 54.1,137.57 54.1,136.69 54.04,136.66 53.11,137.59 53.11,143.92 53.17,143.95
GND on BOTTOM (solid shape): 140.93,23.25 140.91,23.19 139.21,23.19 137.82,24.58 137.85,24.71 137.87,24.72 138,24.85 138.05,25.02 138.05,25.06 138.04,25.11 138.04,25.41 138.17,25.57 138.22,25.74 138.23,25.77 138.37,25.82
GND on BOTTOM (solid shape): 139.7,27.04 139.7,25.37 139.64,25.34 137.85,27.13 137.86,27.26 137.89,27.27 138.01,27.39 138.05,27.56 138.02,27.68 137.95,27.79 137.92,27.83 138.07,27.98 138.17,28.12 138.22,28.28 138.23,28.32 138.37,28.37
GND on BOTTOM (solid shape): 52.25,134.51 52.32,134.48 52.4,134.47 52.45,134.47 52.52,134.49 52.63,134.41 52.63,134.32 52.64,134.25 52.68,134.19 53.63,133.24 53.62,133.17 53.64,133.06 53.7,132.96 53.72,132.93 53.65,132.79 53.41,132.79 52.1,134.11 52.1,134.44 52.22,134.52
GND on BOTTOM (solid shape): 174.78,203.84 174.75,203.82 174.56,203.69 174.39,203.54 174.37,203.52 174.06,203.31 173.7,203.24 173.34,203.24 173.26,203.36 173.27,203.38 173.31,203.5 173.32,203.63 173.31,203.75 173.27,203.87 173.26,203.89 173.34,204.01 174.73,204.01
GND on BOTTOM (solid shape): 169.15,291.17 169.13,291.14 168.73,290.65 168.59,290.03 168.77,289.33 169.26,288.81 169.3,288.79 169.25,288.62 164.76,288.62 164.73,288.68 167.38,291.33 169.1,291.33
GND on BOTTOM (solid shape): 33.18,268.75 33.29,268.66 33.43,268.63 33.52,268.65 33.6,268.68 33.63,268.7 33.76,268.63 33.76,266.99 33.38,266.99 33.38,267.87 32.74,267.87 32.74,268.09 32.8,268.12 32.83,268.15 32.9,268.22 32.91,268.23 33.03,268.35 33.07,268.51 33.06,268.59 33.04,268.66 33.02,268.7 33.15,268.78
GND on BOTTOM (solid shape): 109.61,250.63 109.58,250.57 107.06,250.57 69,288.62 68.95,288.66 68.88,288.67 64.33,288.67 64.28,288.83 64.31,288.86 64.75,289.37 64.92,290.03 64.67,290.82 64.03,291.35 63.99,291.36 64.03,291.54 68.7,291.54
GND on BOTTOM (solid shape): 166.78,286.69 166.76,286.67 166.57,286.4 166.5,286.08 166.62,285.65 166.94,285.35 166.97,285.34 166.93,285.16 166.53,285.16 166.53,284.22 166.4,284.22 166.13,284.16 165.91,284.01 146.22,264.33 146.07,264.1 146.02,263.84 146.02,250.57 130.41,250.57 130.38,250.63 166.6,286.84 166.72,286.84
GND on BOTTOM (solid shape): 36.83,276.69 36.83,268.07 36.84,268 36.88,267.95 37.9,266.93 37.96,266.89 38.02,266.88 38.33,266.88 38.45,266.77 38.61,266.73 38.67,266.73 38.72,266.75 38.75,266.76 38.86,266.68 38.86,265.63 36.59,263.36 36.53,263.38 36.53,275.39 36.51,275.45 36.47,275.51 35.97,276.02 35.97,276.69 36.12,276.75 36.15,276.72 36.4,276.61 36.65,276.72 36.67,276.75
GND on BOTTOM (solid shape): 135.84,85.31 136.01,85.28 136.18,85.27 136.32,85.27 136.41,85.25 136.48,85.2 137.02,84.66 137.02,84.54 136.92,84.46 136.81,84.46 136.79,84.48 136.65,84.59 136.47,84.63 136.31,84.6 136.17,84.5 136.08,84.41 135.9,84.41 135.73,84.45 135.6,84.56 135.71,84.75 135.75,84.97 135.74,85.07 135.72,85.18 135.71,85.21 135.81,85.32
GND on BOTTOM (solid shape): 62.98,291.36 62.94,291.35 62.3,290.82 62.06,290.03 62.22,289.37 62.66,288.86 62.7,288.83 62.64,288.67 54.93,288.67 54.88,288.83 54.91,288.86 55.36,289.37 55.52,290.03 55.28,290.82 54.63,291.35 54.6,291.36 54.63,291.54 62.94,291.54
GND on BOTTOM (solid shape): outline of 107 points within 170.73,288.62 178.7,291.33
GND on BOTTOM (solid shape): outline of 106 points within 46.66,154.51 51.55,189.73
GND on BOTTOM (solid shape): outline of 117 points within 36.98,283.95 45.8,292.76
GND on BOTTOM (solid shape): 203.74,270.63 203.73,270.56 204.3,270.33 204.06,270.89 203.99,270.88 203.36,271.52 203.38,271.65 203.4,271.66 203.48,271.72 203.55,271.81 203.56,271.83 203.69,271.85 204.32,271.22 204.32,271.14 204.88,270.91 204.65,271.48 204.58,271.47 204.17,271.87 204.19,272.01 204.21,272.02 204.3,272.08 204.36,272.16 204.37,272.18 204.5,272.2 206.71,269.99 206.69,269.93 203.43,269.93 201.4,271.96 201.43,272.09 201.46,272.1 201.62,272.22 201.68,272.42 201.58,272.65 201.35,272.75 201.15,272.68 201.03,272.52 201.02,272.5 200.89,272.47 199.62,273.73 199.62,274.66 199.68,274.69
GND on BOTTOM (solid shape): 194.27,255.27 194.25,255.25 194.07,254.97 194,254.63 194.89,253.75 195.78,254.63 195.72,254.97 195.54,255.25 195.51,255.27 195.58,255.42 196.75,255.42 196.81,255.27 196.79,255.25 196.61,254.97 196.54,254.63 197.43,253.75 198.32,254.63 198.26,254.97 198.08,255.25 198.05,255.27 198.12,255.42 199.04,255.42 201.02,253.44 201.02,253.38 200.97,253.34 200.81,253.49 200.75,253.53 200.69,253.54 190.78,253.54 190.18,254.14 190.29,254.38 190.32,254.63 190.26,254.97 190.08,255.25 190.05,255.27 190.12,255.42 194.21,255.42
GND on BOTTOM (solid shape): 170.58,286.69 170.56,286.67 170.37,286.4 170.3,286.08 170.45,285.6 170.85,285.31 170.88,285.3 170.88,285.13 170.85,285.12 170.47,284.83 170.33,284.38 170.34,284.25 170.37,284.13 169.98,283.96 169.65,283.71 169.63,283.69 169.49,283.72 169.48,283.75 169.26,284.03 168.91,284.14 168.64,284.07 168.42,283.88 168.41,283.87 168.3,283.85 168.19,283.91 168.1,283.96 168.1,284.68 168.26,284.74 168.28,284.71 168.56,284.49 168.91,284.41 169.73,285.23 168.91,286.04 168.67,286 168.44,285.89 168.43,285.88 168.2,285.88 168.12,285.97 168.13,286.08 168.06,286.4 167.87,286.67 167.85,286.69 167.91,286.84 170.52,286.84
GND on BOTTOM (solid shape): outline of 144 points within 116.84,29.77 135.46,35.43
GND on BOTTOM (solid shape): 201.02,264.87 201.02,264.8 201.11,264.56 201.35,264.46 201.53,264.52 201.65,264.67 201.66,264.7 201.8,264.72 202.49,264.03 202.55,264 202.62,263.98 205.37,263.98 205.45,263.86 205.44,263.84 205.42,263.77 205.41,263.7 205.74,263.37 206.07,263.7 206.06,263.77 206.04,263.84 206.03,263.86 206.11,263.98 206.24,263.98 206.31,263.86 206.3,263.84 206.28,263.77 206.27,263.7 206.6,263.37 206.93,263.7 206.93,263.77 206.91,263.84 206.89,263.86 206.97,263.98 207.51,263.98 207.58,263.86 207.57,263.84 207.55,263.77 207.54,263.7 207.55,263.63 207.16,263.25 201.71,263.25 201.64,263.36 201.65,263.39 201.67,263.46 201.68,263.52 201.58,263.76 201.35,263.86 201.27,263.85 201.17,263.96 201.11,263.99 201.04,264.01 198.12,264.01 198.05,264.16 198.08,264.18 198.32,264.8 198.08,265.41 198.05,265.43 198.12,265.58 200.31,265.58
GND on BOTTOM (solid shape): outline of 181 points within 201.65,275.58 204.34,281.98
GND on BOTTOM (solid shape): 49.6,291.43 49.58,291.36 49.58,291.31 49.91,290.98 50.24,291.31 50.24,291.36 50.22,291.43 50.3,291.54 53.54,291.54 53.58,291.36 53.54,291.35 52.9,290.82 52.66,290.03 52.82,289.37 53.27,288.86 53.3,288.83 53.25,288.67 45.69,288.67 45.63,288.66 45.57,288.62 44.37,287.42 44.3,287.43 44.06,287.33 43.97,287.1 43.98,286.99 44.03,286.9 44.06,286.86 43.92,286.72 43.89,286.75 43.79,286.8 43.69,286.82 43.36,286.49 43.69,286.16 43.72,286.16 43.79,286.01 42.8,285.02 40.88,285.02 40.81,285 40.76,284.97 39.19,283.4 39.15,283.35 39.14,283.28 39.14,280.49 38.5,279.85 38.43,279.86 38.38,279.85 38.31,279.84 38.2,279.91 38.2,281.73 38.31,281.81 38.38,281.79 38.43,281.79 38.76,282.12 38.43,282.45 38.38,282.44 38.31,282.43 38.2,282.51 38.2,282.59 38.31,282.67 38.38,282.65 38.43,282.65 38.66,282.75 38.76,282.98 38.7,283.17 38.54,283.29 38.51,283.3 38.48,283.44 45.57,290.52 47.13,290.52 47.19,290.54 47.25,290.58 48.22,291.54 49.52,291.54
GND on BOTTOM (solid shape): outline of 239 points within 138.21,94.56 155.32,96.12
GND on BOTTOM (solid shape): outline of 112 points within 143.43,78.08 150.47,86.33
GND on BOTTOM (solid shape): outline of 975 points within 33.86,258.73 48.73,287.71
GND on BOTTOM (solid shape): outline of 1333 points within 135.43,83.82 153.74,93.88
GND on BOTTOM (solid shape): outline of 131545 points within 0.31,0.31 243.53,304.49
GND on GND02 (solid shape): outline of 214440 points within 0.31,0.31 243.53,304.49
GND on ART03 (solid shape): 25.15,218.24 25.15,209.5 24.8,209.15 24.74,209.18 24.74,218.56 24.8,218.58
GND on ART03 (solid shape): 26.14,228.05 26.14,218.7 26.07,218.68 25.6,219.15 25.6,227.6 26.07,228.07
GND on ART03 (solid shape): 26.14,209.03 26.14,200.54 26.07,200.52 25.55,201.04 25.55,208.54 26.07,209.06
GND on ART03 (solid shape): 45.41,247.58 45.41,247.04 45.35,247.02 42.01,250.36 42.01,250.89 42.07,250.92
GND on ART03 (solid shape): 48.46,181.14 48.46,178.4 48.4,178.37 47.93,178.84 47.93,180.7 48.4,181.17
GND on ART03 (solid shape): 49.02,159.68 49.02,150.62 48.96,150.59 48.57,150.98 48.57,159.31 48.96,159.71
GND on ART03 (solid shape): 56.31,128.7 56.31,127.7 56.25,127.67 49.45,134.47 49.45,135.47 49.52,135.5
GND on ART03 (solid shape): 203.61,260.29 203.61,250.2 203.54,250.17 203.2,250.52 203.2,260.6 203.26,260.63
GND on ART03 (solid shape): 212.93,285.03 212.93,276.79 212.87,276.77 212.22,277.42 212.22,285.65 212.28,285.68
GND on ART03 (solid shape): 157.16,300.93 157.13,300.86 146.05,300.86 145.95,300.96 145.89,301 145.82,301.02 144.84,301.02 144.84,301.27 156.81,301.27
GND on ART03 (solid shape): 25.17,200.05 25.17,191.79 20.81,187.44 20.75,187.46 20.75,187.61 24.69,191.54 24.73,191.6 24.74,191.67 24.74,200.4 24.8,200.42
GND on ART03 (solid shape): 43.38,286.36 43.39,286.34 43.45,286.26 43.53,286.2 43.55,286.19 43.57,286.06 41.67,284.16 41.61,284.19 41.61,284.74 43.25,286.38
GND on ART03 (solid shape): 45.41,286.37 45.42,286.35 45.47,286.27 45.55,286.2 45.57,286.19 45.59,286.06 43.07,283.54 43,283.57 43,284.13 45.27,286.4
GND on ART03 (solid shape): 48.26,178.01 48.26,174.25 48.27,174.18 48.31,174.12 48.41,174.02 48.41,160.24 48.02,159.84 47.96,159.87 47.96,178.22 48.02,178.25
GND on ART03 (solid shape): 206.3,268.48 206.31,268.45 206.37,268.37 206.47,268.3 206.49,268.29 206.51,268.16 203.67,265.31 203.61,265.34 203.61,265.94 206.16,268.5
GND on ART03 (solid shape): 48.87,202.48 48.87,190.32 48.76,190.24 48.73,190.25 48.67,190.27 48.62,190.27 48.56,190.27 48.5,190.25 48.47,190.24 48.36,190.32 48.36,202.06 48.81,202.5
GND on ART03 (solid shape): 205.82,243.3 205.82,240.79 205.7,240.71 205.68,240.72 205.62,240.74 205.56,240.74 205.5,240.74 205.45,240.72 205.42,240.71 205.31,240.79 205.31,243.72 205.37,243.75
GND on ART03 (solid shape): 205.82,237.85 205.82,235.36 205.37,234.92 205.31,234.94 205.31,237.85 205.42,237.93 205.45,237.92 205.5,237.9 205.56,237.9 205.62,237.9 205.68,237.92 205.7,237.93
GND on ART03 (solid shape): 48.67,209.94 48.67,204.79 48.55,204.71 48.52,204.72 48.46,204.74 48.39,204.75 48.34,204.75 48.27,204.73 48.16,204.81 48.16,210.35 48.22,210.38
GND on ART03 (solid shape): 49.99,203.96 50.07,203.92 50.16,203.91 50.21,203.91 50.29,203.93 50.39,203.85 50.39,198.7 50.33,198.67 49.84,199.17 49.84,203.9 49.97,203.98
GND on ART03 (solid shape): 50.19,198.31 50.19,178.65 50.06,178.57 50.03,178.59 49.95,178.63 49.86,178.64 49.81,178.64 49.74,178.62 49.63,178.7 49.63,198.78 49.69,198.8
GND on ART03 (solid shape): 16.56,287.84 16.56,286.39 16.5,286.36 15.85,287.01 15.85,287.28 16.11,287.53 16.14,287.59 16.16,287.66 16.16,287.91 16.41,287.91 16.46,287.92
GND on ART03 (solid shape): 40.64,284.83 40.64,282.51 40.53,282.43 40.46,282.44 40.41,282.45 40.29,282.42 40.18,282.35 40.15,282.33 40.01,282.39 40.01,284.29 40.58,284.86
GND on ART03 (solid shape): 46.71,192.2 46.8,192.16 46.89,192.15 46.97,192.16 47.04,192.19 47.07,192.2 47.19,192.13 47.19,188.13 47.13,188.11 46.56,188.68 46.56,192.14 46.69,192.22
GND on ART03 (solid shape): 195,57.21 195.08,57.03 195.25,56.93 195.27,56.92 195.31,56.78 179.82,41.29 179.76,41.31 179.76,42.32 194.69,57.25 194.99,57.25
GND on ART03 (solid shape): 36.83,276.69 36.83,274.56 36.77,274.53 36.2,275.1 36.2,276.54 36.3,276.62 36.36,276.61 36.4,276.61 36.54,276.64 36.65,276.72 36.67,276.75
GND on ART03 (solid shape): 211.05,285.18 211.05,282.72 210.94,282.65 210.91,282.66 210.85,282.67 210.79,282.68 210.66,282.65 210.54,282.56 210.52,282.53 210.36,282.59 210.36,285.78 210.43,285.81
GND on ART03 (solid shape): 99.87,300.42 99.85,300.36 99.35,300.36 99.19,300.31 99.07,300.2 95.53,300.2 94.77,300.96 94.71,301 94.64,301.02 93.66,301.02 93.66,301.27 99.02,301.27
